# KiCad board AmigaPCI Mainboard.kicad_pcb (continued)
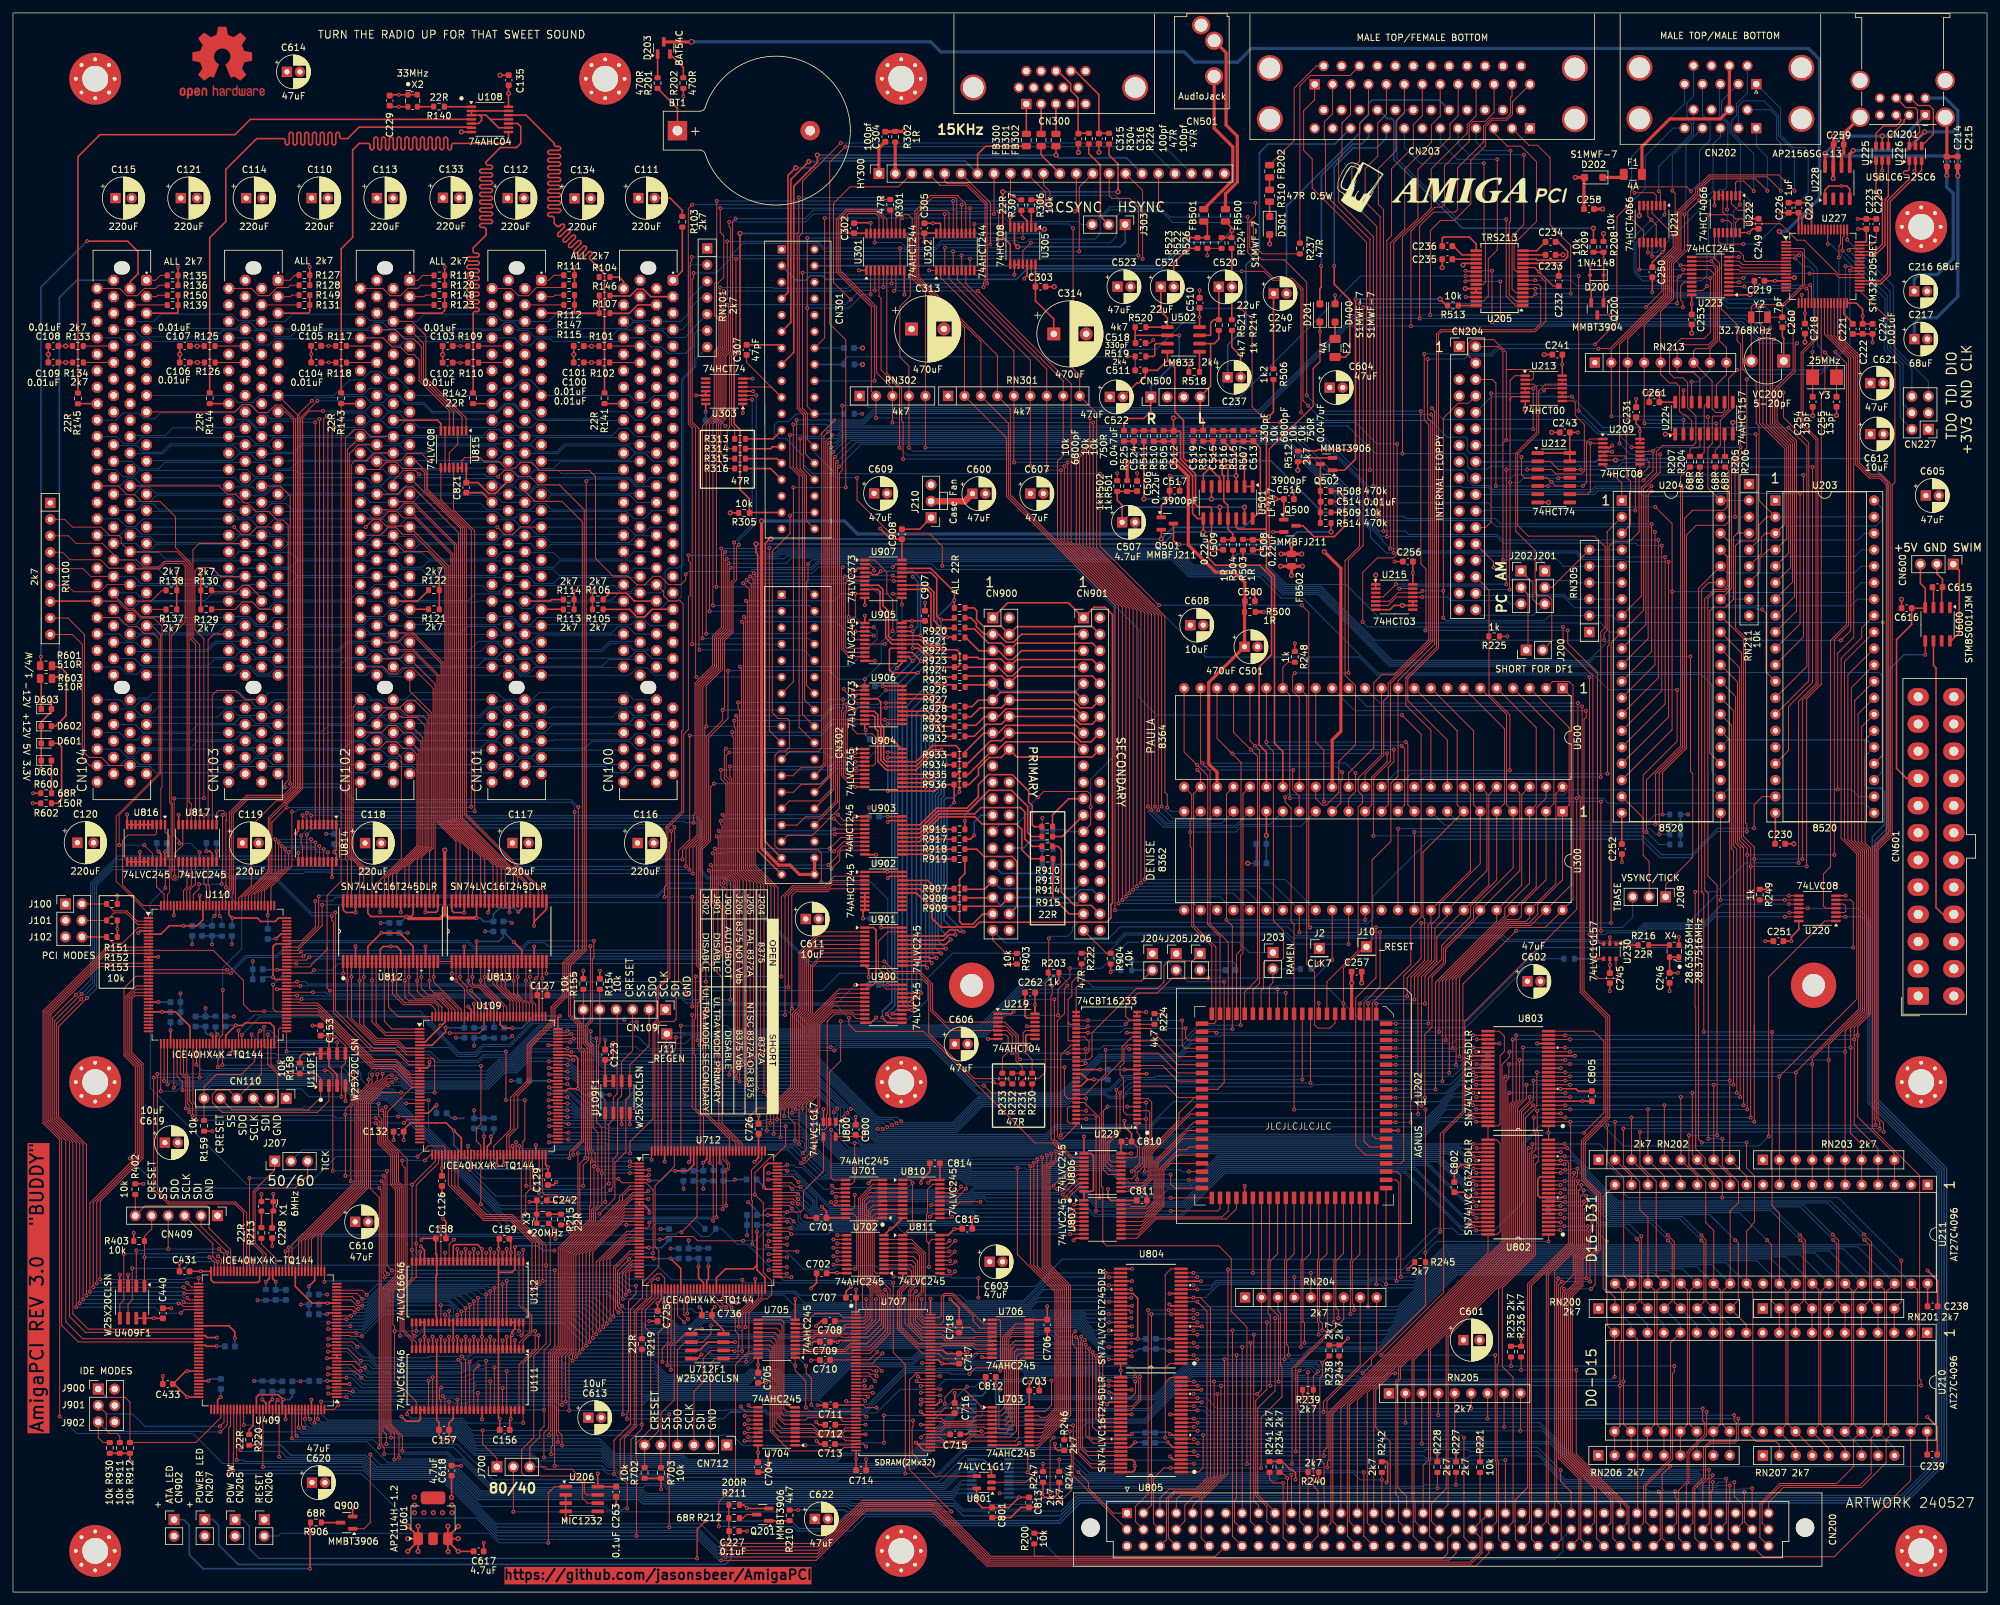
[diagram p0: board, top side]
## Routing (per net, layer and track width the routed paths; a pad name or vN(x,y) marks a point on that pad's centre or on a via; arc(x,y) is an arc through that point) (continued)
  Bottom w0.15: v1(207.96,90.88) 209.07,91.99 v1(215.27,91.99)
DRD1: length 148.7
  Top w0.15: U810.17 144.9,61.68 v1(145.38,62.15) ; v1(216.38,91.46) 216.38,94.98 219.02,97.62 219.02,103.09 220.22,104.29 220.22,106.15 226.55,112.48 U300.6 225.53,121.57 225.53,132.98 U500.9 ; U202.13 v1(209.23,90.88)
  In3.Cu w0.15: v1(209.23,90.88) 209.23,86.43 208.31,85.5 162.87,85.5 155.71,78.35 155.71,76.59 147.42,68.3 147.42,64.53 145.87,62.98 145.87,62.63 v1(145.38,62.15)
  Bottom w0.15: v1(209.23,90.88) 209.81,91.46 v1(216.38,91.46)
DRD2: length 150.7
  Top w0.15: v1(218.01,90.86) 218.01,95.12 220.6,97.7 220.6,99.87 225.04,104.3 225.04,105.91 229.09,109.96 U300.5 230.31,121.76 230.31,133.28 U500.7 ; v1(146.39,62.63) 146.39,62.42 145,61.02 U810.16 ; U202.12 210.5,90.85 v1(210.51,90.86)
  In3.Cu w0.15: v1(210.51,90.86) 210.51,86.62 209.1,85.2 164.07,85.2 157.29,78.43 157.29,77.75 147.72,68.18 147.72,63.96 v1(146.39,62.63)
  Bottom w0.15: v1(210.51,90.86) v1(218.01,90.86)
DRD3: length 151.4
  Top w0.15: U810.15 145.25,60.38 v1(147.18,62.31) ; v1(213.51,87.76) 213.49,87.78 U202.11 ; U500.6 230.61,135.52 230.61,121.57 U300.4 231.63,111.83 225.52,105.73 225.52,104.02 220.9,99.39 220.9,97.21 218.54,94.85 v1(218.54,87.76)
  In3.Cu w0.15: v1(213.51,87.76) 209.14,83.39 174.5,83.39 172.99,84.91 165.39,84.91 148.02,67.54 148.02,63.15 v1(147.18,62.31)
  Bottom w0.15: v1(218.54,87.76) v1(213.51,87.76)
DRD4: length 156.6
  Top w0.15: U202.10 213.58,86.51 v1(213.59,86.5) ; U810.14 141.78,59.72 v1(141.74,59.76) ; U500.5 235.19,133.47 235.19,121.57 U300.3 234.17,109.44 230.34,105.61 230.34,104.41 220.18,94.25 v1(220.18,86.5)
  In3.Cu w0.15: v1(213.59,86.5) 210.18,83.09 164.87,83.09 164.14,82.36 164.14,80.72 151.51,68.09 151.51,67.11 148.32,63.92 148.32,62.71 145.38,59.76 v1(141.74,59.76)
  Bottom w0.15: v1(213.59,86.5) v1(220.18,86.5)
DRD5: length 159.3
  Top w0.15: U810.13 145,59.07 146.21,60.29 v1(149.38,60.28) ; U500.4 237.93,133.28 237.93,121.76 U300.2 236.71,109.96 232.89,106.14 232.89,104.33 232.39,103.83 230.61,103.83 221.23,94.45 v1(221.23,85.23) ; v1(213.48,85.23) 212.02,85.23
  In3.Cu w0.15: 149.38,60.29 149.74,60.64 149.74,64.39 151.81,66.46 151.81,67.96 164.44,80.6 164.44,82.24 164.99,82.79 211.04,82.79 v1(213.48,85.23)
  Bottom w0.15: v1(213.48,85.23) v1(221.23,85.23)
DRD6: length 166.9
  Top w0.15: v1(222.29,83.97) 222.29,94.67 230.86,103.23 234,103.23 235.42,104.65 235.42,106.13 239.25,109.96 U300.1 240.27,121.57 240.27,133.47 U500.3 ; v1(213.48,83.97) U202.8 ; U810.12 142.02,58.43 v1(141.57,57.97)
  In3.Cu w0.15: v1(141.57,57.97) 142.46,58.86 149.63,58.86 150.04,59.26 150.04,64.27 152.11,66.34 152.11,67.84 164.74,80.48 164.74,82.12 165.09,82.46 211.97,82.46 v1(213.48,83.97)
  Bottom w0.15: v1(222.29,83.97) v1(213.48,83.97)
DRD7: length 168.5
  Top w0.15: v1(145,57.96) 144.81,57.77 U810.11 ; v1(223.34,82.7) 223.34,94.87 231.11,102.63 236.57,102.63 U300.48 240.88,106.93 240.88,140 240.27,140.6 237.74,140.6 U500.2 ; U202.7 v1(213.59,82.7)
  In3.Cu w0.15: v1(213.59,82.7) 213.05,82.16 166.85,82.16 152.41,67.71 152.41,66.21 150.33,64.14 150.33,59.13 149.75,58.55 145.59,58.55 v1(145,57.96)
  Bottom w0.15: v1(223.34,82.7) v1(213.59,82.7)
DRD8: length 164.6
  Top w0.15: U811.18 144.13,53.8 v1(144.61,54.27) ; U500.1 240.57,138.25 240.57,109.17 U300.47 234.33,102.93 230.98,102.93 222.82,94.77 v1(222.82,81.42) ; v1(213.49,81.42) 212.02,81.42
  In3.Cu w0.15: v1(213.49,81.42) 213.05,81.86 167.78,81.86 154.11,68.19 154.11,67.49 150.67,64.06 150.67,58.64 146.97,54.94 145.27,54.94 v1(144.61,54.27)
  Bottom w0.15: v1(222.82,81.42) v1(213.49,81.42)
DRD9: length 149.1
  Top w0.15: U500.48 238.23,123.31 238.23,109.36 U300.46 234.17,104.12 233.58,103.53 230.73,103.53 221.77,94.57 v1(221.77,80.17) ; v1(213.48,80.17) 212.02,80.17 ; 143.12,53.14 144.39,53.14 v1(145.51,54.26)
  In3.Cu w0.15: v1(213.48,80.17) 212.09,81.56 167.9,81.56 154.4,68.06 154.4,67.37 150.97,63.93 150.97,58.52 146.72,54.26 v1(145.51,54.26)
  Bottom w0.15: v1(221.77,80.17) v1(213.48,80.17)
DRD10: length 147.9
  Top w0.15: v1(144.6,52.59) 144.5,52.5 U811.16 ; 231.63,105.28 220.7,94.35 220.7,78.88 v1(220.71,78.88) ; v1(213.48,78.88) 212.02,78.88 ; U500.47 236.71,122.57 235.19,121.05 235.19,108.87 U300.45
  In3.Cu w0.15: v1(144.6,52.59) 145.34,53.33 146.21,53.33 151.27,58.39 151.27,63.81 153.29,65.82 153.86,65.82 156.14,68.11 156.14,69.34 166.62,79.81 167.97,79.81 169.41,81.26 174.5,81.26 174.54,81.21 211.14,81.21 v1(213.48,78.88)
  Bottom w0.15: v1(220.71,78.88) v1(213.48,78.88)
DRD11: length 146.8
  Top w0.15: v1(213.47,77.62) U202.3 ; v1(145.4,52.57) 144.68,51.84 143.12,51.84 ; U500.46 232.95,123.12 232.95,109.17 U300.44 229.09,103.58 219.64,94.13 v1(219.64,77.62)
  In3.Cu w0.15: v1(213.47,77.62) 210.18,80.91 174.67,80.91 173.72,79.96 168.68,79.96 151.57,62.86 151.57,58.27 145.87,52.57 v1(145.4,52.57)
  Bottom w0.15: v1(219.64,77.62) v1(213.47,77.62)
DRD12: length 146.8
  Top w0.15: U500.45 232.65,123.31 232.65,111.41 U300.43 226.55,104.56 226.49,104.56 221.2,99.27 221.2,97.09 219.1,94.99 219.1,87.24 218,86.13 v1(218,76.35) ; v1(144.72,51.09) 144.62,51.19 U811.14 ; v1(213.47,76.34) 212.02,76.34
  In3.Cu w0.15: v1(144.72,51.09) 144.83,51.09 151.87,58.14 151.87,61.4 170.14,79.66 173.84,79.66 174.79,80.61 209.19,80.61 v1(213.47,76.34)
  Bottom w0.15: v1(213.47,76.34) 213.48,76.35 v1(218,76.35)
DRD13: length 144.5
  Top w0.15: U500.44 227.88,123.12 227.88,109.17 U300.42 219.85,101.14 219.85,97.38 217.47,95 v1(217.47,75.08) ; U811.13 145.04,50.55 v1(145.53,51.04) ; v1(213.46,75.08) U202.1
  In3.Cu w0.15: v1(145.53,51.04) 150.69,56.2 150.69,56.54 163.48,69.33 163.48,70.21 165.63,72.36 167.64,72.36 174.63,79.35 198.56,79.35 198.86,79.66 208.88,79.66 v1(213.46,75.08)
  Bottom w0.15: v1(217.47,75.08) v1(213.46,75.08)
DRD14: length 146.2
  Top w0.15: v1(216.96,73.81) 216.93,73.84 216.93,95.02 219.55,97.64 219.55,102.47 219.54,102.48 221.47,104.41 U300.41 227.57,111.41 227.57,123.31 U500.43 ; v1(144.61,49.52) 144.24,49.89 U811.12 ; v1(213.5,73.81) U202.84
  In3.Cu w0.15: v1(144.61,49.52) 145.12,50.03 145.27,50.03 151.29,56.05 151.29,56.71 163.78,69.2 163.78,70.09 165.75,72.06 167.76,72.06 173.99,78.28 199.29,78.28 200.13,79.12 208.19,79.12 v1(213.5,73.81)
  Bottom w0.15: v1(216.96,73.81) v1(213.5,73.81)
DRD15: length 145.6
  Top w0.15: v1(215.82,72.53) 215.82,90.74 215.85,90.77 215.85,94.93 218.5,97.58 218.5,102.99 218.93,103.42 U300.40 225.04,111.41 225.04,123.31 U500.42 ; v1(213.49,72.53) 212.02,72.53 ; U811.11 143.37,49 144.93,49 v1(145.44,49.51)
  In3.Cu w0.15: v1(145.44,49.51) 145.44,49.77 151.83,56.17 151.83,56.83 164.08,69.08 164.08,69.97 165.88,71.76 167.89,71.76 174.11,77.98 208.04,77.98 v1(213.49,72.53)
  Bottom w0.15: v1(215.82,72.53) v1(213.49,72.53)
DRDDIR: length 33.3
  Top w0.15: U811.1 138.88,56.57 138.88,63.18 v1(138.88,63.18) 138.88,63.19 138.88,63.32 138.88,63.33 138.58,63.62 U810.1 ; U712.107 119.05,65.7 119.29,65.94 v1(119.56,65.94)
  Bottom w0.15: v1(138.88,63.18) 138.14,62.44 128.45,62.44 128.22,62.21 125.2,62.21 121.84,65.57 120.94,65.57 120.57,65.94 v1(119.56,65.94)
FLTLEFT: length 78.5
  Top w0.25: FB500.1 188.15,210.7 188.15,210.28 v2(188.18,210.25) 188.15,210.22 188.15,209.14 186.61,209.14
  Bottom w0.25: CN301.3 120.93,202.56 122.41,202.56 123.09,203.24 125.04,203.24 125.58,202.7 154.93,202.7 156.57,204.34 177.34,204.34 181.42,208.42 186.36,208.42 v2(188.18,210.25)
FLTRIGHT: length 65.2
  Top w0.25: FB501.1 184.41,211.09 184.41,209.14 181.51,209.14 v2(181.51,209.15)
  Bottom w0.25: CN301.4 177.16,204.8 v2(181.51,209.15)
IDEDIR: length 102.7
  Top w0.15: 42.28,91.56 v1(44.56,91.56) ; v1(130.06,93.76) U900.1
  Top w0.25: U901.1 132.9,102.6 133.26,102.24 133.26,94.18 132.84,93.76 U900.1
  Bottom w0.15: v1(44.56,91.56) 66.35,91.56 66.53,91.74 103.15,91.74 103.93,90.95 127.25,90.95 v1(130.06,93.76)
IDSEL0: length 136
  Top w0.15: v1(86.49,67.53) 86.49,68.05 88.09,69.64 88.09,83.44 87.46,84.06 87.46,87.74 86.1,89.1 86.1,96.69 88.51,99.1 88.51,171.54 v1(88.52,171.55) ; U109.48 70.23,68.88 v1(70.24,68.89)
  Bottom w0.15: v1(88.52,171.55) 88.84,171.87 95.06,171.87 96.25,170.68 99.24,170.68 ; v1(86.49,67.53) 86.49,67.53 71.59,67.53 v1(70.24,68.89)
IDSEL1: length 114.1
  Top w0.15: CN101.A26 79.04,169.96 80.59,168.42 84.76,168.42 87.91,165.27 87.91,99.35 85.5,96.94 85.5,91.92 83.68,90.1 83.68,87.9 79.99,84.21 79.99,78.71 77.95,76.67 77.95,71.72 76.6,70.38 76.6,68.66 76.73,68.54 U109.61
IDSEL2: length 151.1
  Top w0.13: v1(74.9,172.25) 75.83,173.18 76.98,173.18 77.93,172.23 79.87,172.23 81.13,170.97 83.4,170.97 ; CN102.A26 58.72,171.64 60.26,173.18 62.12,173.18 v1(62.7,172.6)
  Top w0.15: v1(85.92,67.01) 85.92,67.9 87.78,69.77 87.78,83.31 87.16,83.94 87.16,87.61 85.8,88.97 85.8,96.82 88.21,99.23 88.21,167.13 84.37,170.97 83.4,170.97 ; U109.55 v1(73.73,66.06)
  Bottom w0.13: v1(62.7,172.6) 72.84,172.6 73.2,172.24 74.89,172.24 v1(74.9,172.25)
  Bottom w0.15: v1(73.73,66.06) 73.73,66.13 74.61,67.01 v1(85.92,67.01)
IDSEL3: length 153.8
  Top w0.15: v1(42.8,124.79) 42.8,169.26 41.25,170.8 CN103.A26 ; U109.60 76.23,70.42 77.36,71.55 77.36,76.5 79.69,78.83 79.69,84.33 83.38,88.02 83.38,90.23 85.2,92.05 85.2,97.07 87.3,99.17 v1(87.3,121.21)
  Bottom w0.15: v1(42.8,124.79) 50.3,124.79 52.72,122.37 86.14,122.37 v1(87.3,121.21)
IDSEL4: length 174.2
  Top w0.15: CN104.A26 31.82,170.8 33.12,169.5 34.39,169.5 35.72,168.17 36.2,168.17 37.53,166.84 39.49,166.84 40.81,165.52 41.73,165.52 42.5,164.75 42.5,125.36 41.98,124.84 v1(41.98,124.27) ; 76.83,73.12 76.83,76.4 79.39,78.96 79.39,84.46 83.08,88.15 83.08,90.35 84.9,92.17 84.9,97.19 86.72,99.01 v1(86.72,120.45) ; 76.83,73.12 76.83,71.45 ; 76.83,73.12 76.83,71.45 ; 76.83,71.45 74.23,68.85 U109.56
  Bottom w0.15: v1(86.72,120.45) 86.72,121.37 86.12,121.97 52.7,121.97 50.4,124.26 41.99,124.26 v1(41.98,124.27)
IORDY: length 98.8
  Top w0.15: v1(43.07,120.51) 43.07,112.13 39.84,108.9 U110.110 ; v1(71.29,120.56) 71.29,120.56 71.29,163.87 68.02,167.14 U815.11
  Bottom w0.15: v1(71.29,120.56) 71.24,120.51 52.7,120.51 52.35,120.85 44,120.85 43.66,120.51 v1(43.07,120.51)
KBData: length 57.6
  Top w0.15: v1(267.7,187.26) 267.7,176.66 265.88,174.84 v1(265.88,166.02) ; U227.39 283.75,203.97 v1(283.62,204.1)
  Bottom w0.15: U204.39 RN211.3 ; v1(283.62,204.1) 283.62,192.6 279.06,188.04 268.48,188.04 v1(267.7,187.26)
LVA0: length 233
  Top w0.15: v1(86.92,36.32) 86.91,36.32 86.91,52.04 95.58,60.7 U712.12 v1(98.09,60.7) ; v1(164.04,40.27) 163.58,39.81 163.58,38.31 164.21,37.68 164.21,27 164.21,27 164.21,21.53 166.58,19.17 U805.47 ; U110.62 v1(35.34,86.05)
  In2.Cu w0.15: v1(98.09,60.7) 98.62,61.22 98.62,62.16 96.84,63.93 96.84,84.98 96.3,85.52 v1(96.3,88.04)
  Bottom w0.15: v1(86.92,36.32) 104.66,36.32 104.9,36.07 113.76,36.07 114.51,36.82 124.72,36.82 127.96,40.06 158.03,40.06 158.38,40.41 160.84,40.41 160.95,40.31 164,40.31 v1(164.04,40.27) ; v1(96.3,88.04) 95.45,88.04 95.22,87.81 80.32,87.81 76.76,84.25 72.64,84.25 71.39,83.01 68.79,83.01 62.98,88.81 38.1,88.81 v1(35.34,86.05)
LVA1: length 262.7
  Top w0.15: U805.29 169.86,30.6 169.63,30.82 v1(169.24,30.82) ; v1(98.09,61.94) 97.85,61.7 U712.10 95.73,61.7 86.29,52.26 86.29,36.95 85.87,36.52 85.87,28.02 v1(85.87,28.02) ; v1(34.82,86.7) 34.81,86.69 34.81,84.7 ; U409.144 49.54,28.2 v1(50.23,28.88)
  In2.Cu w0.15: v1(94.4,88.39) 94.4,87 96.54,84.86 96.54,63.49 v1(98.09,61.94)
  Bottom w0.15: v1(169.24,30.82) 166.68,33.39 156.25,33.39 155.69,32.83 143.97,32.83 142.43,31.3 136.98,31.3 133.35,27.66 116.69,27.66 116.21,28.14 110.14,28.14 110.02,28.02 v1(85.87,28.02) 84.18,28.02 83.32,28.88 v1(50.23,28.88) ; v1(34.82,86.7) 37.24,89.11 63.11,89.11 68.91,83.31 71.27,83.31 72.51,84.55 76.64,84.55 80.47,88.39 v1(94.4,88.39)
LVA2: length 170.1
  Top w0.15: U409.143 v1(47.59,29.41) ; v1(84.75,28.9) 84.75,36.4 85.69,37.34 85.69,52.51 93.66,60.48 93.66,61.09 95.27,62.7 U712.8 ; v1(169.21,31.87) U805.27 ; U111.38 v1(67.34,29.41)
  Bottom w0.15: v1(47.59,29.41) 48.82,29.41 v1(67.34,29.41) 67.84,29.41 68.07,29.18 70.09,29.18 70.31,29.41 83.96,29.41 84.47,28.9 v1(84.75,28.9) 97.27,28.9 98,29.64 124.49,29.64 125.16,28.97 132.02,28.97 137.54,34.5 151.5,34.5 151.76,34.75 155.17,34.75 156.23,33.69 166.8,33.69 168.62,31.87 v1(169.21,31.87)
LVA3: length 165.5
  Top w0.15: U111.40 v1(68.61,29.71) ; v1(85.33,29.43) 85.33,36.45 85.99,37.11 85.99,52.39 94.11,60.51 94.11,61.12 95.19,62.2 U712.9 ; U805.26 169.81,32.5 169.69,32.62 v1(169.23,32.62) ; v1(51.49,30.12) 50.01,30.12
  Bottom w0.15: v1(169.23,32.62) 168.29,32.62 166.92,33.99 156.35,33.99 155.29,35.05 145.23,35.05 144.42,35.85 142.28,35.85 141.22,34.8 129.47,34.8 124.61,29.94 97.88,29.94 97.37,29.43 v1(85.33,29.43) 84.67,29.43 84.39,29.71 v1(68.61,29.71) 68.25,29.71 68.02,29.93 67,29.93 66.78,29.71 51.9,29.71 v1(51.49,30.12)
LVA4: length 162.6
  Top w0.15: v1(53.18,37.88) 52.45,38.61 U409.18 ; U712.15 94.5,59.2 87.44,52.13 87.44,36.9 v1(87.44,36.9) ; v1(68.77,35.87) 69.25,35.39 U111.41 ; U804.47 v1(169.21,35.94)
  Bottom w0.15: v1(53.18,37.88) 53.72,37.88 55.96,35.64 68.33,35.64 68.56,35.87 v1(68.77,35.87) 70.06,35.87 71.09,36.9 v1(87.44,36.9) 105.3,36.9 105.66,37.26 106.95,37.26 107.84,36.38 113.64,36.38 114.39,37.12 124.6,37.12 127.84,40.37 157.9,40.37 158.37,40.83 164.32,40.83 v1(169.21,35.94)
LVA5: length 167.9
  Top w0.15: v1(87.96,37.48) 87.96,37.49 87.96,52.23 94.42,58.7 U712.16 ; U804.46 172.55,36.57 v1(172.73,36.4) ; U111.42 69.88,35.84 v1(69.33,36.39) ; v1(48.65,39.11) U409.19
  Bottom w0.15: v1(172.73,36.4) 172.66,36.46 169.11,36.46 164.44,41.13 158.25,41.13 157.78,40.66 127.71,40.66 124.47,37.43 114.26,37.43 113.51,36.68 107.96,36.68 107.07,37.56 105.54,37.56 105.46,37.48 v1(87.96,37.48) 71.25,37.48 70.16,36.39 v1(69.33,36.39) 64.35,36.39 64.12,36.16 55.86,36.16 52.91,39.11 v1(48.65,39.11)
LVA6: length 154.3
  Top w0.15: v1(169.21,37.85) 169.21,37.84 171.03,37.84 ; v1(88.48,38.05) 88.49,38.06 88.49,52.34 94.35,58.2 U712.17 ; U409.20 52.01,39.61 52.12,39.5 53.86,39.5 v1(53.86,39.5) ; v1(66.7,42.86) 66.71,42.85 U112.37
  Bottom w0.15: v1(53.86,39.5) 57.27,42.91 66.65,42.91 v1(66.7,42.86) 68.12,41.44 85.09,41.44 v1(88.48,38.05) 107.01,38.05 107.34,37.72 107.89,37.72 ; 107.89,37.72 124.35,37.72 127.59,40.96 157.65,40.96 158.12,41.43 164.57,41.43 168.15,37.85 v1(169.21,37.85) ; 107.89,37.72 107.43,37.72
LVA7: length 159.7
  Top w0.15: v1(172.67,38.49) 172.66,38.48 U804.43 ; v1(89.01,38.64) 89.01,38.64 89.01,52.44 94.27,57.7 U712.18 ; U112.38 v1(67.34,43.42) ; v1(53.03,40.02) 52.94,40.11 U409.21
  Bottom w0.15: v1(172.67,38.49) 167.93,38.49 164.69,41.73 158,41.73 157.53,41.26 127.46,41.26 125.09,38.89 122.8,38.89 121.93,38.02 107.55,38.02 106.98,38.59 89.06,38.59 v1(89.01,38.64) 87.69,39.95 ; 69.01,41.75 68.49,41.75 ; 69.01,41.75 85.91,41.75 ; 69.01,41.75 68.49,41.75 ; 68.49,41.75 67.34,42.9 v1(67.34,43.42) 57.2,43.42 53.81,40.02 v1(53.03,40.02) ; 85.91,41.75 87.69,39.95 ; 85.91,41.75 87.69,39.95
LVA8: length 158.8
  Top w0.15: U804.41 v1(172.7,39.75) ; v1(89.54,39.23) 89.53,39.24 89.53,52.54 94.22,57.22 96.68,57.22 ; U112.36 v1(66.07,44.3) ; v1(48.66,40.61) U409.22
  Bottom w0.15: v1(172.7,39.75) 167.1,39.75 164.81,42.03 157.87,42.03 157.41,41.56 127.34,41.56 124.97,39.19 105.9,39.19 105.59,38.89 101.92,38.89 101.58,39.23 v1(89.54,39.23) 86.5,42.27 68.39,42.27 68.01,42.65 68.01,43.7 67.42,44.3 v1(66.07,44.3) 57.65,44.3 53.91,40.56 48.72,40.56 v1(48.66,40.61)
LVA9: length 148.4
  Top w0.15: U804.40 169.21,40.38 v1(169.21,40.38) ; v1(90.06,39.8) 90.06,39.81 90.06,50.94 94.81,55.7 U712.22 ; U112.40 v1(68.61,42.8) ; 52.11,41.11 U409.23
  Bottom w0.15: v1(52.11,41.08) 54.01,41.08 57.75,44.82 67.32,44.82 68.61,43.53 v1(68.61,42.8) 87.06,42.8 v1(90.06,39.8) 90.09,39.82 101.41,39.82 102.04,39.19 105.11,39.19 105.41,39.5 124.85,39.5 127.22,41.87 157.28,41.87 157.75,42.33 164.94,42.33 166.91,40.36 169.19,40.36 v1(169.21,40.38)
LVA10: length 149.4
  Top w0.15: v1(169.23,41.66) 169.24,41.65 U804.38 ; v1(69.24,43.32) 69.25,43.31 U112.41 ; v1(48.67,41.6) 49.99,41.6 ; U712.23 94.74,55.2 90.58,51.04 v1(90.58,40.39)
  Bottom w0.15: v1(169.23,41.66) 166.04,41.66 165.06,42.63 157.63,42.63 157.16,42.16 127.09,42.16 124.72,39.8 105.29,39.8 104.98,39.49 102.17,39.49 101.53,40.12 97.49,40.12 97.23,40.38 90.59,40.38 v1(90.58,40.39) 87.65,43.32 v1(69.24,43.32) 67.44,45.12 57.63,45.12 54.11,41.6 48.68,41.6 v1(48.67,41.6)
LVA11: length 149.1
  Top w0.15: U712.24 94.66,54.7 91.15,51.19 v1(91.15,40.91) ; v1(51.49,42.13) 50.02,42.13 ; U112.42 v1(69.88,43.84) ; U804.37 v1(172.68,42.29)
  Bottom w0.15: v1(172.68,42.29) 165.83,42.29 165.19,42.93 157.5,42.93 157.12,42.55 121.62,42.55 120.74,41.66 106.73,41.66 104.86,39.79 102.29,39.79 101.66,40.43 97.62,40.43 97.14,40.9 91.15,40.9 v1(91.15,40.91) 88.21,43.84 v1(69.88,43.84) 68.31,45.42 57.51,45.42 54.22,42.13 v1(51.49,42.13)
LVA12: length 144.8
  Top w0.15: v1(91.69,41.43) 91.69,51.3 94.59,54.2 U712.25 ; v1(70.52,44.37) 70.51,44.37 U112.43 ; v1(52.2,42.65) 50.05,42.65 ; v1(169.21,42.93) 169.21,42.93 U804.36
  Bottom w0.15: v1(169.21,42.93) 165.61,42.93 165.31,43.23 157.38,43.23 156.99,42.85 121.5,42.85 120.62,41.96 106.61,41.96 104.74,40.09 102.42,40.09 101.78,40.72 97.74,40.72 97.04,41.43 v1(91.69,41.43) 88.75,44.37 v1(70.52,44.37) 69.17,45.72 57.38,45.72 54.32,42.65 v1(52.2,42.65)
LVA13: length 147.6
  Top w0.15: U804.35 172.38,43.56 v1(172.68,43.26) ; U409.28 52.34,43.61 v1(52.76,43.19) ; U112.44 v1(71.15,44.89) ; U712.26 94.51,53.7 92.21,51.39 92.21,41.99 v1(92.21,41.98)
  Bottom w0.15: v1(52.76,43.19) 52.77,43.18 54.42,43.18 57.26,46.02 70.03,46.02 v1(71.15,44.89) 89.29,44.89 v1(92.21,41.98) 96.91,41.98 97.64,41.25 101.68,41.25 102.47,40.46 104.68,40.46 106.48,42.26 120.49,42.26 121.38,43.15 156.87,43.15 157.25,43.53 172.41,43.53 v1(172.68,43.26)
LVA14: length 142.7
  Top w0.15: v1(53.35,43.7) 52.99,43.7 52.58,44.11 U409.29 ; U712.28 95.28,52.7 92.74,50.16 92.74,42.57 v1(92.73,42.56) ; U804.33 v1(169.23,44.83) ; v1(71.79,45.42) 71.78,45.41 U112.45
  Bottom w0.15: v1(53.35,43.7) 54.52,43.7 57.13,46.32 70.89,46.32 v1(71.79,45.42) 89.87,45.42 v1(92.73,42.56) 100.8,42.56 102.6,40.76 104.55,40.76 106.36,42.56 120.37,42.56 121.25,43.45 156.74,43.45 158.12,44.83 v1(169.23,44.83)
LVA15: length 147.3
  Top w0.15: v1(172.67,45.46) 172.67,45.46 171.03,45.46 ; U712.29 95.2,52.2 93.04,50.04 93.04,44.56 ; v1(53.94,44.23) 53.07,44.23 52.19,45.11 U409.31 ; 93.04,43.65 93.04,44.56 ; 93.04,44.56 93.04,43.63 v1(93.51,43.16) ; 73.06,41.65 73.06,45.94 v1(73.06,45.94)
  Bottom w0.15: v1(53.94,44.23) 54.62,44.23 57.01,46.62 71.75,46.62 72.43,45.94 v1(73.06,45.94) 91.83,45.94 93.51,44.27 v1(93.51,43.16) 100.62,43.16 102.72,41.06 104.43,41.06 106.24,42.87 120.24,42.87 121.13,43.75 156.62,43.75 158.33,45.46 v1(172.67,45.46)
LVA16: length 171.3
  Top w0.15: v1(94.06,44.14) 93.64,44.56 93.64,49.15 95.69,51.2 U712.31 ; U409.32 52.43,45.61 v1(53.28,44.76) ; U804.30 172.65,46.74 v1(172.66,46.73) ; U112.48 v1(73.69,46.47) ; U109.42 67.23,62.86 72.7,57.39 76.74,57.39 80.13,54 v1(80.13,46.47)
  Bottom w0.15: v1(172.66,46.73) 159.18,46.73 156.5,44.05 121,44.05 120.12,43.16 105.38,43.16 104.85,43.69 94.51,43.69 v1(94.06,44.14) 91.73,46.47 v1(80.13,46.47) v1(73.69,46.47) 73.08,46.47 72.63,46.92 56.88,46.92 54.72,44.75 53.29,44.75 v1(53.28,44.76)
LVA17: length 165.9
  Top w0.15: U109.43 67.73,62.79 72.83,57.69 76.86,57.69 80.68,53.87 v1(80.68,47) ; v1(74.33,47) 74.32,46.99 U112.49 ; v1(53.95,45.28) 53.12,46.11 U409.33 ; v1(94.16,45.28) 94.1,45.34 94.1,49.19 95.61,50.7 U712.32 ; U804.29 v1(169.22,47.37)
  Bottom w0.15: v1(169.22,47.37) 159.39,47.37 156.37,44.35 120.53,44.35 119.03,45.85 101.05,45.85 100.48,45.28 v1(94.16,45.28) 92.45,47 v1(80.68,47) v1(74.33,47) 73.56,47 73.33,47.22 56.76,47.22 54.82,45.28 v1(53.95,45.28)
LVA18: length 164.5
  Top w0.15: v1(94.63,45.89) 94.62,45.89 94.62,49.29 95.54,50.2 U712.33 ; v1(75.59,47.52) 75.59,47.51 U112.51 ; U409.34 53.9,46.61 v1(54.62,45.89) ; U804.27 v1(169.22,48.64) ; v1(81.24,47.52) 81.24,53.74 76.99,57.99 72.95,57.99 68.23,62.71 U109.44
  Bottom w0.15: v1(54.62,45.89) 56.25,47.52 v1(75.59,47.52) v1(81.24,47.52) 93,47.52 v1(94.63,45.89) 100.53,45.89 100.79,46.15 120.69,46.15 122.19,44.65 156.12,44.65 160.11,48.64 v1(169.22,48.64)
LVA19: length 166
  Top w0.15: U109.45 68.73,62.64 73.08,58.29 77.11,58.29 81.78,53.62 81.78,48.05 v1(81.78,48.05) ; U712.34 95.46,49.7 95.15,49.39 v1(95.15,46.45) ; v1(168.71,49.27) 168.71,49.27 U804.26 ; U112.52 76.23,48.03 v1(76.24,48.05) ; v1(48.09,47.9) U409.37
  Bottom w0.15: v1(48.09,47.9) 48.24,48.05 v1(76.24,48.05) v1(81.78,48.05) 93.56,48.05 v1(95.15,46.45) 120.82,46.45 121.42,45.84 146.25,45.84 147.14,44.95 156,44.95 160.32,49.27 v1(168.71,49.27)
LVA20: length 186.4
  Top w0.15: U111.43 v1(70.51,35.58) ; v1(164.14,39.38) 164.51,39.01 164.51,27.84 164.51,27.84 164.51,21.66 166.37,19.81 U805.46 ; v1(86.39,35.73) 86.4,35.74 86.4,36.63 86.59,36.82 86.59,52.14 95.65,61.2 U712.11 ; v1(48.65,38.1) 49.99,38.1
  Bottom w0.15: v1(164.14,39.38) 161.46,39.38 160.72,40.12 158.5,40.12 158.15,39.76 129.35,39.76 123.12,33.54 118.93,33.54 118.07,34.4 113.81,34.4 112.95,33.54 101.01,33.54 98.82,35.73 v1(86.39,35.73) 85.82,36.3 71.23,36.3 v1(70.51,35.58) 70.28,35.34 69.12,35.34 68.88,35.11 56.06,35.11 54.88,36.3 53.96,36.3 52.15,38.1 v1(48.65,38.1)
LVA21: length 154.3
  Top w0.15: v1(48.64,37.11) U409.15 ; U805.43 165.83,21.71 165.12,22.43 165.12,34.74 165.11,34.74 165.11,38.55 v1(165.49,38.92) ; U111.44 71.15,34.23 v1(71.89,34.97)
  Bottom w0.15: v1(165.49,38.92) 165.05,38.49 159.96,38.49 159.78,38.66 151.4,38.66 150.9,39.16 129.6,39.16 123.37,32.94 118.68,32.94 117.82,33.8 114.06,33.8 113.2,32.94 100.76,32.94 99.02,34.68 85.29,34.68 84.77,35.19 72.81,35.19 72.59,34.97 v1(71.89,34.97) 71.66,34.75 69.37,34.75 69.13,34.51 55.5,34.51 54.81,35.19 53.51,35.19 51.59,37.11 v1(48.64,37.11)
LVA22: length 137
  Top w0.15: v1(52.46,30.98) 51.89,30.98 51.77,31.11 U409.3 ; v1(71.79,30.76) 71.78,30.75 U111.45 ; U805.32 172.79,28.69 173.81,29.72 173.81,32.74 v1(173.23,33.32)
  Bottom w0.15: v1(173.23,33.32) 173.11,33.44 168.32,33.44 167.17,34.59 156.6,34.59 155.54,35.65 145.48,35.65 144.67,36.45 139.94,36.45 138.88,35.39 129.22,35.39 124.37,30.54 95.85,30.54 95.79,30.48 85.83,30.48 85.55,30.76 v1(71.79,30.76) 52.69,30.76 v1(52.46,30.98)
LVA23: length 153.2
  Top w0.15: U409.16 51.7,37.61 53.59,35.72 v1(53.73,35.72) ; U805.44 166.05,21.07 164.81,22.31 164.81,28.19 164.81,28.19 164.81,38.71 164.96,38.85 v1(164.96,39.45) ; 73.06,28.1 73.06,35.71 v1(73.06,35.72)
  Bottom w0.15: v1(164.96,39.45) 164.29,38.78 161.3,38.78 160.27,39.81 158.62,39.81 158.27,39.46 129.47,39.46 123.25,33.24 118.81,33.24 117.95,34.1 113.93,34.1 113.07,33.24 100.89,33.24 98.92,35.2 85.19,35.2 84.67,35.72 v1(73.06,35.72) 71.9,35.72 71.22,35.05 69.24,35.05 69.01,34.81 55.94,34.81 55.03,35.72 v1(53.73,35.72)
LVA24: length 142.3
  Top w0.15: U111.48 v1(73.69,32.56) ; v1(167.74,35.97) 167.74,26.78 168.37,26.15 U805.36 ; U409.8 v1(48.62,33.61)
  Bottom w0.15: v1(48.62,33.61) 48.65,33.63 52.51,33.63 54.04,32.11 71.15,32.11 71.61,32.57 85.02,32.57 85.53,32.06 99.53,32.06 100.14,31.44 123.99,31.44 130.22,37.66 150.25,37.66 151.16,36.76 155.71,36.76 156.5,35.97 v1(167.74,35.97)
LVA25: length 147.5
  Top w0.15: U805.41 166.82,22.98 165.64,24.16 165.64,38.18 v1(165.64,38.19) ; v1(74.33,34.67) 74.32,34.66 U111.49 ; U409.12 52.83,35.61 53.77,34.67 v1(54.33,34.67)
  Bottom w0.15: v1(54.33,34.67) 55.02,33.98 69.13,33.98 69.59,34.44 72.66,34.44 72.88,34.67 v1(74.33,34.67) 84.87,34.67 85.39,34.15 99.12,34.15 100.64,32.64 113.32,32.64 114.18,33.5 117.7,33.5 118.56,32.64 123.5,32.64 129.72,38.87 150.78,38.87 151.46,38.19 v1(165.64,38.19)
LVA26: length 142.9
  Top w0.15: v1(75.6,31.51) 75.59,31.51 U111.51 ; v1(174.03,33.27) 174.12,33.18 174.12,29.6 172.57,28.06 U805.33 ; U409.4 v1(48.64,31.61)
  Bottom w0.15: v1(174.03,33.27) 172.4,34.89 156.73,34.89 155.46,36.16 150.91,36.16 150.23,36.84 149.05,36.84 148.15,35.95 145.6,35.95 144.8,36.75 139.82,36.75 138.96,35.89 129.3,35.89 124.24,30.84 99.89,30.84 99.73,31 85.73,31 85.22,31.51 v1(75.6,31.51) 71.43,31.51 70.97,31.06 53.35,31.06 52.9,31.51 49.63,31.51 49.53,31.61 v1(48.64,31.61)
LVA27: length 146
  Top w0.15: U409.11 52.35,35.11 53.31,34.14 v1(53.65,34.14) ; v1(166.17,37.58) 166.17,37.58 166.17,24.06 166.61,23.62 171.03,23.62 ; U111.52 v1(76.23,34.14)
  Bottom w0.15: v1(166.17,37.58) 166.1,37.66 151.56,37.66 150.65,38.56 129.85,38.56 123.62,32.34 118.43,32.34 117.57,33.2 114.31,33.2 113.45,32.34 100.51,32.34 99.22,33.63 85.29,33.63 84.78,34.14 v1(76.23,34.14) 69.71,34.14 69.25,33.68 54.88,33.68 54.42,34.14 v1(53.65,34.14)
LVA28: length 137
  Top w0.15: v1(173.29,32.52) 173.31,32.5 173.31,30.71 172.56,29.96 U805.30 ; v1(66.37,30.23) 66.71,29.9 U111.37 ; v1(48.66,30.65) 48.7,30.61 U409.2
  Bottom w0.15: v1(173.29,32.52) 172.67,33.14 168.19,33.14 167.05,34.29 156.48,34.29 155.42,35.35 145.35,35.35 144.55,36.15 140.06,36.15 139,35.09 129.35,35.09 124.49,30.24 97.59,30.24 97.31,29.95 85.93,29.95 85.65,30.23 v1(66.37,30.23) 52.4,30.23 51.98,30.65 v1(48.66,30.65)
